# Altium PCB PCB1.PcbDoc
Units mm, origin at the board's own origin, x right, y up, seen from the top; angles counter-clockwise.
Board outline 78.4 x 48.7 mm, 2 copper layers (Top Layer, Bottom Layer); 87 components, 41 nets, 206 pads, 77 vias.
Unrouted connection lines stored in the file: 16.
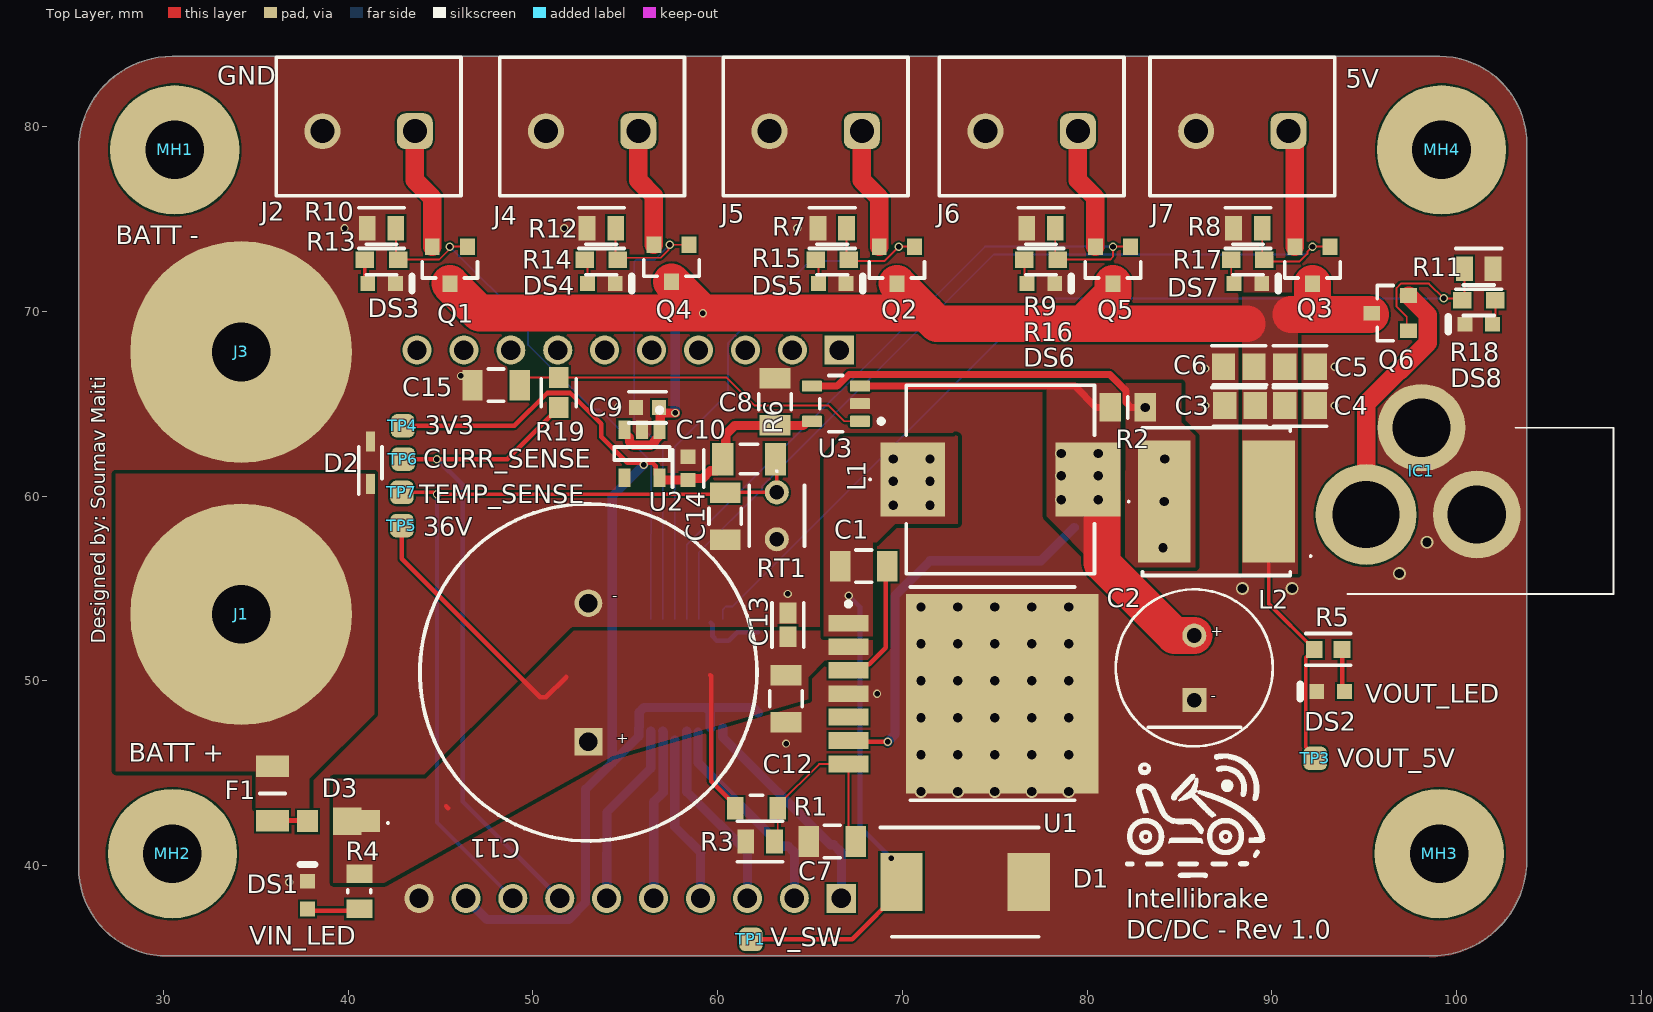
[diagram p0: Top Layer view]
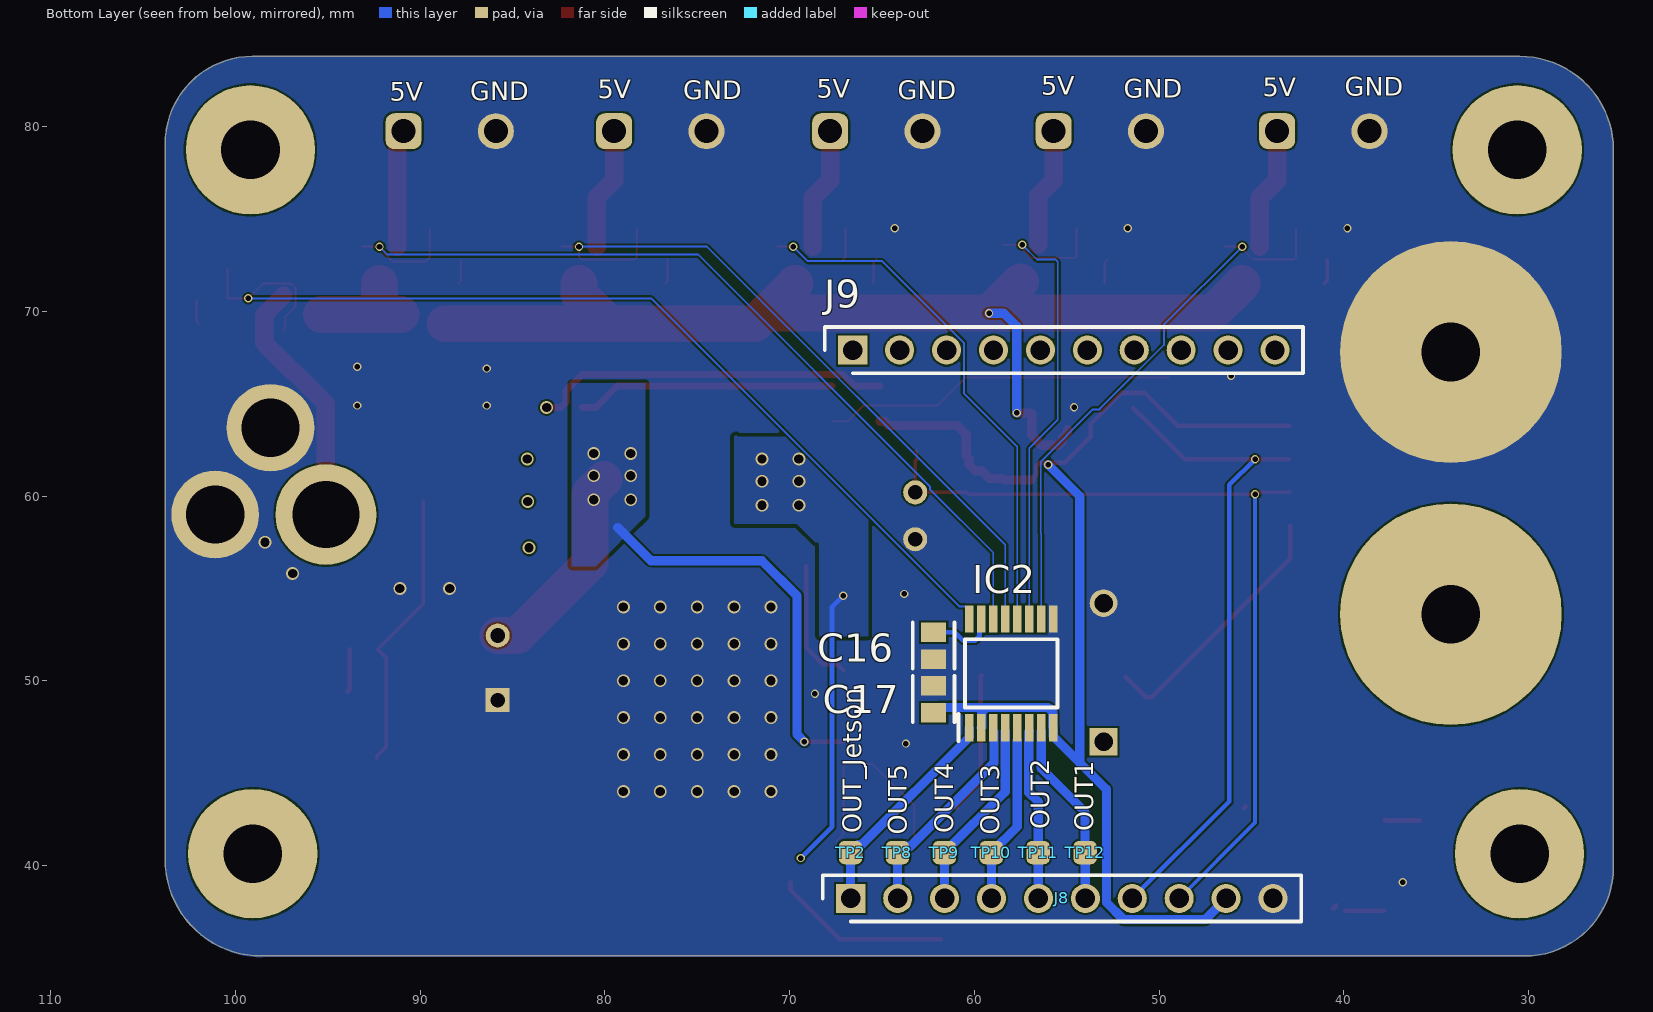
[diagram p1: Bottom Layer view, seen from below]
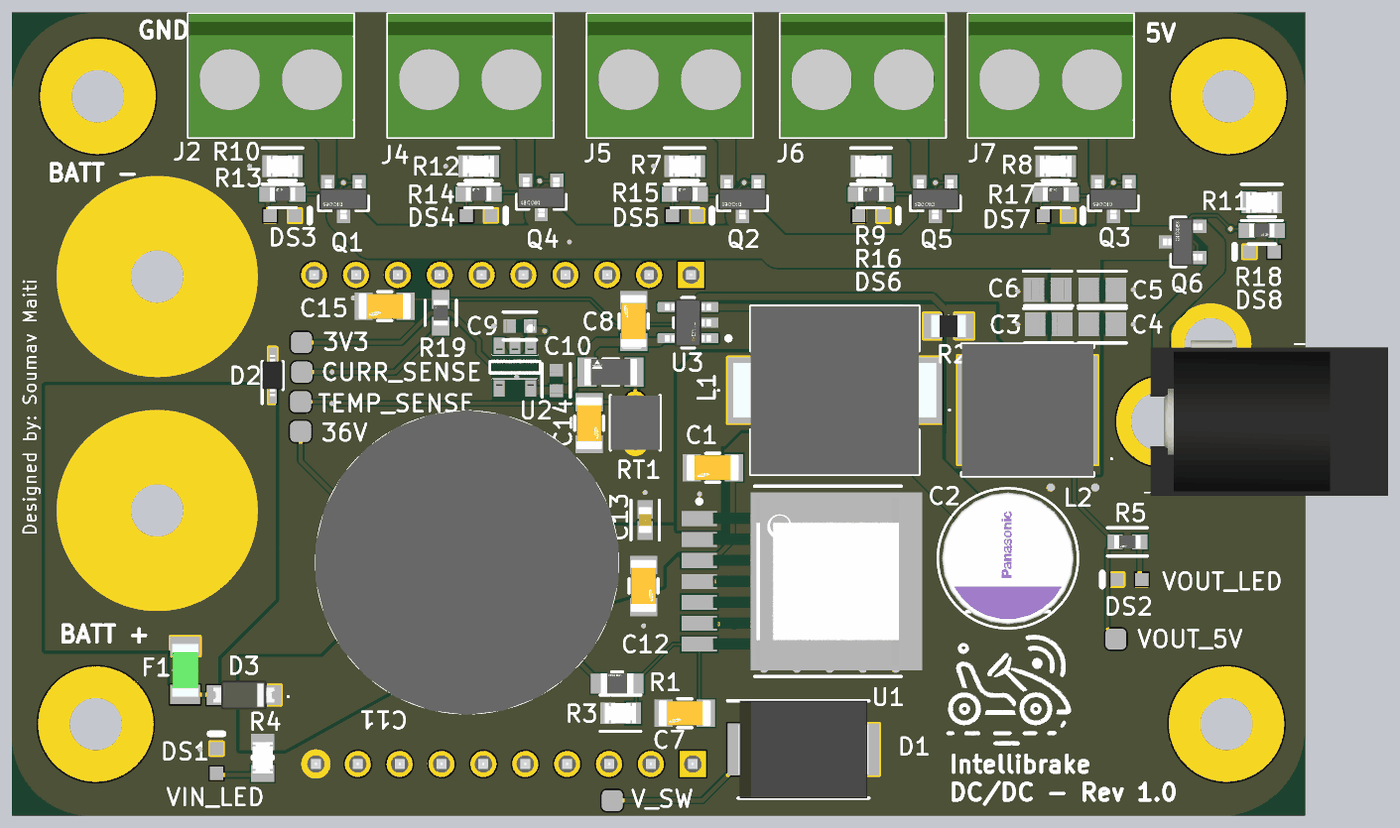
[diagram p2: 3D render of the assembled board from above, using the file's embedded part models]
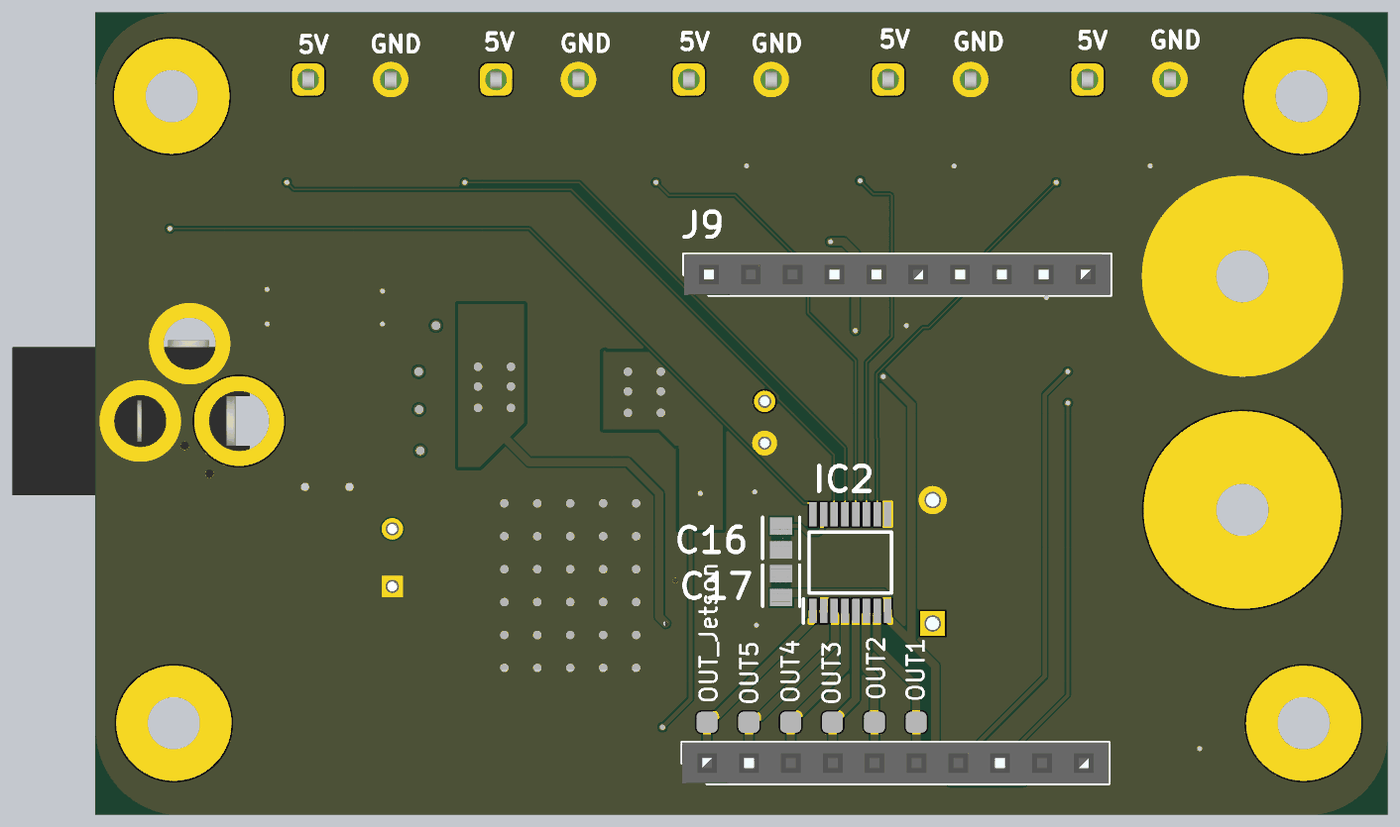
[diagram p3: 3D render of the assembled board from below, using the file's embedded part models]

## Layer stack, top to bottom
Top Solder: solder mask 0.0102, Solder Resist, Dk 3.5
Top Layer: signal copper 0.0356
Dielectric 1: dielectric 0.32, FR-4, Dk 4.8
Bottom Layer: signal copper 0.0356
Bottom Solder: solder mask 0.0102, Solder Resist, Dk 3.5

## Board outline
30.2,35.1 98.6,35.1 ccw(c98.6,40.3) 103.8,40.3 103.8,79.08 ccw(c99.08,79.08) 99.08,83.8 30.46,83.8 ccw(c30.46,78.74) 25.4,78.74 25.4,39.9 ccw(c30.2,39.9)

## Design rules (kind name [scope] priority, off if disabled: settings)
Clearance Clearance_8 [InNamedPolygon('GND_L01_P004')] p1: gap=0.46 ignorepadtopadclearanceinfootprint=FALSE
Clearance Clearance_7 [InNamedPolygon('GND_L02_P005')] p2: gap=0.46 ignorepadtopadclearanceinfootprint=FALSE
Clearance Clearance_6 [InNamedPolygon('GND_L02_P000')] p3: gap=0.46 ignorepadtopadclearanceinfootprint=FALSE
Clearance Clearance_5 [InNamedPolygon('GND_L02_P005')] p4: gap=0.46 ignorepadtopadclearanceinfootprint=FALSE
Clearance Clearance_4 [InNamedPolygon('VIN_L01_P003')] p5: gap=0.46 ignorepadtopadclearanceinfootprint=FALSE
Clearance Clearance_3 [InNamedPolygon('VIN_36V_L01_P004')] p6: gap=0.46 ignorepadtopadclearanceinfootprint=FALSE
Clearance Clearance_2 [InNamedPolygon('VIN_36V_L01_P004')] p7: gap=0.46 ignorepadtopadclearanceinfootprint=FALSE
Clearance Clearance_1 [InNamedPolygon('VIN_36V_L01_P004')] p8: gap=0.46 ignorepadtopadclearanceinfootprint=FALSE
Clearance 0.46 [InNamedPolygon('VIN_36V_L01_P004')] p9: gap=0.46 ignorepadtopadclearanceinfootprint=FALSE except(0: Arc-Hole Track-Hole SMDPad-Hole THPad-Hole Via-Hole Fill-Hole Poly-Hole Region-Hole Text-Hole; 0.254: Fill-Fill Fill-Poly Fill-Region Poly-Poly Poly-Region Region-Region)
Clearance [All] p10: gap=0.1 ignorepadtopadclearanceinfootprint=FALSE except(0.2: Fill-Fill Fill-Poly Fill-Region Poly-Poly Poly-Region Region-Region)
DiffPairsRouting [All] p1: maxlimit=0.254 minlimit=0.254 mostfreqgap=0.254 toplayer_minwidth=0.381 toplayer_maxwidth=0.381 toplayer_prefwidth=0.381 bottomlayer_minwidth=0.381 bottomlayer_maxwidth=0.381 bottomlayer_prefwidth=0.381 maxuncoupledlength=12.7
Height [All] p1: minheight=0 maxheight=100 prefheight=12.7
PlaneClearance [All] p1: clearance=0.5
PolygonConnect [All] p1: connectstyle=Direct reliefconductorwidth=0.254 reliefentries=4 polygonreliefangle="90 Angle" airgapwidth=0.254
RoutingVias [All] p1: holewidth=0.711 width=1.27 viastyle="Through Hole" minholewidth=0.711 minwidth=1.27 maxholewidth=0.711 maxwidth=1.27
SolderMaskExpansion [All] p1: expansion=0.102 istentingtop=FALSE
SupplyNets "Schematic Supply Nets" [InNet('VIN_5V')] p1: voltage=0.000
SupplyNets "Schematic Supply Nets_7" [InNet('CSA_P')] p2: voltage=0.000
SupplyNets "Schematic Supply Nets_6" [InNet('MCU_3V3')] p3: voltage=0.000
SupplyNets "Schematic Supply Nets_5" [InNet('VIN_36V')] p4: voltage=0.000
SupplyNets "Schematic Supply Nets_4" [InNet('V_BOOST')] p5: voltage=0.000
SupplyNets "Schematic Supply Nets_3" [InNet('VIN')] p6: voltage=0.000
SupplyNets "Schematic Supply Nets_2" [InNet('VOUT_5V')] p7: voltage=0.000
SupplyNets "Schematic Supply Nets_1" [InNet('GND')] p8: voltage=0.000
Width [All] p1: maxlimit=5 minlimit=0.05 preferedwidth=0.254
27 further rules are at their usual default settings.

## Classes and differential pairs
component class Connectors: C15 C16 C17 D2 D3 DS3 DS4 DS5 DS6 DS7 DS8 F1 IC1 IC2 J1 J2 J3 J4 J5 J6 J7 J8 J9 MH1 MH2 MH3 MH4 Q1 Q2 Q3 Q4 Q5 Q6 R7 R8 R9 R10 R11 R12 R13 R14 R15 R16 R17 R18 R19 TP2 TP5 TP6 TP7 TP8 TP9 TP10 TP11 TP12
component class LM2678: C1 C2 C3 C4 C5 C6 C7 C8 C9 C10 C11 C12 C13 C14 D1 DS1 DS2 L1 L2 R1 R2 R3 R4 R5 R6 RT1 TP1 TP3 TP4 U1 U2 U3
differential pair CSA: +CSA_P -CSA_N

## Components (designator, comment, footprint, x,y, rotation, side; value= is the part's Value field where it differs from the comment)
C1 "100nF 50V" FP-CL31-IPC_C 67.9,56.2 r180 top
C2 "220uF 16V" FP-OS-CON-TH-E7-d_0_6-MFG 85.8,50.7 r90 top
C3 "10uF 16V" FP-CL21-IPC_B 88.274,64.9 r180 top
C4 "10uF 16V" FP-CL21-IPC_B 91.526,64.9 r0 top
C5 "10uF 16V" FP-CL21-IPC_B 91.526,67 r0 top
C6 "10uF 16V" FP-CL21-IPC_B 88.2,67 r180 top
C7 "100nF 50V" FP-CL31-IPC_C 66.2,41.3 r180 top
C8 "100nF 50V" FP-CL31-IPC_C 63.1,65.1 r90 top
C9 "1uF" FP-CL10-IPC_C 56.2,64.8 r180 top
C10 "1uF" FP-CL10-IPC_C 58.4,61.5 r90 top
C11 "1200uF 63V" CAPPRD750W80D1825H3750 53,46.7 r90 top
C12 "100nF 50V" FP-CL31-IPC_C 63.7,49.024 r270 top
C13 "1uF 50V" FP-C1608-080-0_1-IPC_B 63.8,53.024 r270 top
C14 "100nF 50V" FP-CL31-IPC_C 60.4,58.9 r270 top
C15 "100nF 50V" FP-CL31-IPC_C 48,66 r180 top
C16 "0.1uF 25V" FP-CL21-IPC_C 62.2,51.9 r270 bottom
C17 "0.1uF 25V" FP-CL21-IPC_C 62.2,49 r90 bottom
D1 "SK56C" DIOM7959X262N 73.4,39.1 r0 top
D2 "ESD36VD3A-TP" SOD2512X115N 41.2,61.8 r90 top
D3 "Schottky Diode" PMEG4010EXEX 39.5,42.4 r180 top
DS1 "HSMY-C190" AVAG-HSMX-C190_V 37.8,38.4 r90 top
DS2 "HSMY-C190" AVAG-HSMX-C190_V 93.178,49.414 r180 top
DS3 "HSMY-C190" AVAG-HSMX-C190_V 41.8,71.5 r0 top
DS4 "HSMY-C190" AVAG-HSMX-C190_V 53.7,71.5 r0 top
DS5 "HSMY-C190" AVAG-HSMX-C190_V 66.2,71.5 r0 top
DS6 "HSMY-C190" AVAG-HSMX-C190_V 77.5,71.5 r0 top
DS7 "HSMY-C190" AVAG-HSMX-C190_V 88.7,71.5 r0 top
DS8 "HSMY-C190" AVAG-HSMX-C190_V 101.2,69.3 r180 top
F1 "0685F1000-01" FUSC3216X83N 35.9,43.9 r270 top
IC1 "PJ-002A" PJ002A 95.1,59 r180 top
IC2 "NXB0106PWJ" SOP65P640X110-16N 58,50.4 r90 bottom
J1 "J?" "POWER SCREW TERMINAL" 34.2,53.6 r180 top
J2 "691137710002" 691137710002 41.1,80 r180 top
J3 "J?" "POWER SCREW TERMINAL" 34.2,67.8 r180 top
J4 "691137710002" 691137710002 53.2,80 r180 top
J5 "691137710002" 691137710002 65.3,80 r180 top
J6 "691137710002" 691137710002 77,80 r180 top
J7 "691137710002" 691137710002 88.4,80 r180 top
J8 "61301011821" RHDR10W60P0X254_1X10_2590X250X850P 66.687,38.217 r180 bottom
J9 "61301011821" RHDR10W60P0X254_1X10_2590X250X850P 66.58,67.9 r180 bottom
L1 "22uH, 5A" AMRM00101040220MA1 75.3,60.9 r0 top
L2 "10uH" HPC8040NC4R7M 87,59.7 r90 top
MH1 "MH?" "MOUNTING HOLE" 30.48,78.74 r0 top
MH2 "MH?" "MOUNTING HOLE" 30.353,40.64 r0 top
MH3 "MH?" "MOUNTING HOLE" 98.933,40.64 r0 top
MH4 "MH?" "MOUNTING HOLE" 99.06,78.74 r0 top
Q1 "DMG2301L-7" FP-SOT23-MFG 45.5,72.5 r270 top
Q2 "DMG2301L-7" FP-SOT23-MFG 69.7,72.5 r270 top
Q3 "DMG2301L-7" FP-SOT23-MFG 92.2,72.5 r270 top
Q4 "DMG2301L-7" FP-SOT23-MFG 57.5,72.6 r270 top
Q5 "DMG2301L-7" FP-SOT23-MFG 81.4,72.5 r270 top
Q6 "DMG2301L-7" FP-SOT23-MFG 96.4,69.9 r180 top
R1 "110k" FP-RC2012-MFG 62.1,43.1 r180 top
R2 "20m 0.75W" RESC2114X85N 82.2,64.8 r0 top
R3 "10k" FP-MC01W0805-IPC_C 62.3,41.3 r0 top
R4 "34k" FP-CRCW0805-e3-IPC_B 40.6,38.6 r90 top
R5 "1.5k" FP-RC1608-IPC_B 93.051,51.7 r180 top
R6 "15k" FP-CRCW1206-e3-IPC_B 61.7,62 r180 top
R7 "10k" FP-MC01W0805-IPC_C 66.2,74.5 r180 top
R8 "10k" FP-MC01W0805-IPC_C 88.7,74.5 r180 top
R9 "10k" FP-MC01W0805-IPC_C 77.5,74.5 r180 top
R10 "10k" FP-MC01W0805-IPC_C 41.8,74.5 r180 top
R11 "10k" FP-MC01W0805-IPC_C 101.2,72.3 r0 top
R12 "10k" FP-MC01W0805-IPC_C 53.7,74.5 r180 top
R13 "1.18k" FP-CPF0603-MFG 41.8,72.8 r0 top value=1.18KΩ
R14 "1.18k" FP-CPF0603-MFG 53.7,72.8 r0 top value=1.18KΩ
R15 "1.18k" FP-CPF0603-MFG 66.2,72.8 r0 top value=1.18KΩ
R16 "1.18k" FP-CPF0603-MFG 77.5,72.8 r0 top value=1.18KΩ
R17 "1.18k" FP-CPF0603-MFG 88.7,72.8 r0 top value=1.18KΩ
R18 "1.18k" FP-CPF0603-MFG 101.2,70.6 r180 top value=1.18KΩ
R19 "1.5k" FP-CRCW0603-e3-IPC_A 51.4,65.6 r90 top
RT1 "47k NTC" NTCLE100E3473GB0 63.2,60.2 r270 top
TP1 "TP" TESTPOINT 61.8,36 r90 top
TP2 "TP" Testpoint 66.7,40.7 r90 bottom
TP3 "TP" TESTPOINT 92.35,45.8 r90 top
TP4 "TP" TESTPOINT 42.95,63.8 r90 top
TP5 "TP" TESTPOINT 42.9,58.4 r90 top
TP6 "TP" TESTPOINT 42.975,62 r90 top
TP7 "TP" TESTPOINT 42.9,60.2 r90 top
TP8 "TP" Testpoint 64.16,40.7 r90 bottom
TP9 "TP" Testpoint 61.62,40.7 r90 bottom
TP10 "TP" Testpoint 59.08,40.7 r90 bottom
TP11 "TP" Testpoint 56.54,40.7 r90 bottom
TP12 "TP" Testpoint 54,40.7 r90 bottom
U1 "LM2678SX-5.0/NOPB" LM2678SX-5.0/NOPB 75.716,49.681 r270 top
U2 "MIC5504-3.3YM5-TR" FP-SOT23-5LD-PL-1-MFG 55.9,62.3 r270 top
U3 "INA180A2IDBVR" FP-DBV0005A-MFG 66.4,65 r180 top

## Footprints (in the part's own frame and the unit in brackets; to place one, negate y for a bottom-side part, rotate by r counter-clockwise, add the part's x,y. Pads: shape width x height; smd on the part's side, far side on the other; paste and mask are expansions set on the pad)
691137710002 [mm] "Horizontal Cable Entry with Pressure Clamp, pitch 5mm, 02p"
  rrect50% 1.95x1.95 hole 1.3: 1(-2.5,0.25)
  round 1.95 hole 1.3: 2(2.5,0.25)
  silkscreen extent -5,-3.75 5,3.75, body extent -5,-3.75 5,3.75, height 11.6
AMRM00101040220MA1 [mm]
  rect 3.5x4 smd: 1(-4.75,0) 2(4.75,0)
  silkscreen extent -7.1,-5.1 5.1,5.1, body extent -6.15,-5.1 6.15,5.1, height 4.1
AVAG-HSMX-C190_V [mm] "SMD, 2-Leads, Body 1.6x0.8mm, Height 0.9mm"
  rect 0.8x0.8 smd: 1(-0.75,0) 2(0.75,0)
  silkscreen extent 1.65,-0.4 1.65,0.4, body extent -0.8,-0.4 0.8,0.4, height 0.9
CAPPRD750W80D1825H3750 [mm]
  rect 1.5x1.5 hole 1: 1(0,0)
  round 1.5 hole 1: 2(7.5,0)
  silkscreen extent -5.37,-9.13 12.87,9.12, body extent -5.5,-9.23 13,9.23, height 37.5
DIOM7959X262N [mm]
  rect 2.3x3.15 smd: 1(-3.45,0) 2(3.45,0)
  silkscreen extent -4.6,-2.95 3.97,2.95, body extent -3.97,-2.95 3.97,2.95, height 2.62
FP-C1608-080-0_1-IPC_B [mm]
  rect 1.131x0.912 smd paste+0 mask+0: 1(-0.641,0) 2(0.641,0)
  silkscreen extent -1.21,-0.86 1.21,0.86, body extent -1.46,-0.71 1.46,0.71, height 0.25
FP-CL10-IPC_C [mm]
  rect 0.758x0.812 smd paste+0 mask+0: 1(-0.627,0) 2(0.627,0)
  silkscreen extent -1.01,-0.85 1.01,0.85, body extent -0.8,-0.4 0.8,0.4, height 0.9
FP-CL21-IPC_B [mm]
  rect 1.255x1.456 smd paste+0 mask+0: 1(-0.826,0) 2(0.826,0)
  silkscreen extent -1.45,-1.13 1.45,1.13, body extent -1.7,-0.98 1.7,0.98, height 0.25
FP-CL21-IPC_C [mm]
  rect 1.055x1.356 smd paste+0 mask+0: 1(-0.726,0) 2(0.726,0)
  silkscreen extent -1.25,-1.12 1.25,1.12, body extent -1,-0.63 1,0.63, height 1.45
FP-CL31-IPC_C [mm]
  rect 1.105x1.658 smd paste+0 mask+0: 1(-1.276,0) 2(1.276,0)
  silkscreen extent -0.42,-0.87 0.42,0.87, body extent -1.93,-0.97 1.93,0.97, height 0.25
FP-CPF0603-MFG [mm]
  rect 1x0.9 smd paste+0 mask+0: 1(-0.9,0) 2(0.9,0)
  silkscreen extent -0.82,-0.82 0.82,0.82, body extent -1.5,-0.55 1.5,0.55, height 0.25
FP-CRCW0603-e3-IPC_A [mm]
  rect 1.135x1.062 smd paste+0 mask+0: 1(-0.815,0) 2(0.815,0)
  silkscreen extent -0.75,-0.95 0.75,0.95, body extent -1.88,-1.03 1.88,1.03, height 0.25
FP-CRCW0805-e3-IPC_B [mm]
  rect 1.007x1.408 smd paste+0 mask+0: 1(-0.951,0) 2(0.951,0)
  silkscreen extent -0.07,-0.63 0.07,0.63, body extent -1.7,-0.95 1.7,0.95, height 0.25
FP-CRCW1206-e3-IPC_B [mm]
  rect 1.156x1.758 smd paste+0 mask+0: 1(-1.426,0) 2(1.426,0)
  silkscreen extent -0.47,-0.8 0.47,0.8, body extent -2.25,-1.13 2.25,1.13, height 0.25
FP-DBV0005A-MFG [mm]
  rrect17% 1.1x0.6 smd paste+0 mask+0: 1(-1.3,0.95) 2(-1.3,0) 3(-1.3,-0.95) 4(1.3,-0.95) 5(1.3,0.95)
  silkscreen extent -2.58,-1.53 0.87,1.53, body extent -1.95,-1.78 1.95,1.78, height 0.25
FP-MC01W0805-IPC_C [mm]
  rect 0.906x1.316 smd paste+0 mask+0: 1(-0.776,0) 2(0.776,0)
  silkscreen extent -1.23,-1.1 1.23,1.1, body extent -1.33,-0.8 1.33,0.8, height 0.25
FP-OS-CON-TH-E7-d_0_6-MFG [mm]
  rect 1.3x1.3 hole 0.8 paste-2539.97 mask+0: 1(-1.75,0)
  round 1.3 hole 0.8 paste-2539.97 mask+0: 2(1.75,0)
  silkscreen extent -4.25,-4.25 4.25,4.25, body extent -4.35,-4.35 4.35,4.35, height 0.25
FP-RC1608-IPC_B [mm]
  rect 0.91x0.912 smd paste+0 mask+0: 1(-0.751,0) 2(0.751,0)
  silkscreen extent -1.21,-0.86 1.21,0.86, body extent -1.46,-0.71 1.46,0.71, height 0.25
FP-RC2012-MFG [mm]
  rect 0.9x1.2 smd paste+0 mask+0: 1(-1.15,0) 2(1.15,0)
  silkscreen extent -0.33,-0.7 0.33,0.7, body extent -1.7,-0.8 1.7,0.8, height 0.25
FP-SOT23-5LD-PL-1-MFG [mm]
  rect 1x0.66 smd paste+0 mask+0: 1(-1.3,0.95) 2(-1.3,0) 3(-1.3,-0.95) 4(1.3,-0.95) 5(1.3,0.95)
  silkscreen extent -2.47,-1.5 0.35,1.5, body extent -1.4,-1.45 1.4,1.45, height 1.45
FP-SOT23-MFG [mm]
  rect 0.9x0.8 smd paste+0 mask+0: 1(-1,0.95) 2(-1,-0.95) 3(1,0)
  silkscreen extent -0.18,-1.5 0.7,1.5, body extent -1.55,-1.6 1.55,1.6, height 0.25
FUSC3216X83N [mm]
  rect 1.17x1.8 smd: 1(-1.47,0) 2(1.47,0)
  silkscreen extent 0,-0.69 0,0.69, body extent -1.6,-0.79 1.6,0.79, height 0.83
HPC8040NC4R7M [mm]
  rect 6.6x2.85 smd: 1(0,2.825) 2(0,-2.825)
  silkscreen extent -4,-4 4,4.8, body extent -4,-4 4,4, height 4.3
LM2678SX-5.0/NOPB [mm]
  rect 0.91x2.16 smd paste+0 mask+0: 1(-3.429,-8.635) 2(-2.159,-8.635) 3(-0.889,-8.635) 4(0.381,-8.635) 5(1.651,-8.635) 6(2.921,-8.635) 7(4.191,-8.635)
  rect 10.8x10.41 smd paste+0 mask+0: 8(0.381,-0.316)
  silkscreen extent -5.39,-8.76 6.16,3.62, body extent -5.12,-9.82 5.88,4.99, height 0.25
"MOUNTING HOLE" [mm]
  round 7 hole 3.175: 4(0.127,0)
NTCLE100E3473GB0 [mm]
  round 1.3 hole 0.8: 1(0,0) 2(2.54,0)
  silkscreen extent -1.2,-1.5 2.92,1.5, body extent -0.38,-1.5 2.92,1.5, height 8.1
PJ002A [mm]
  round 5.46 hole 3.64: 1(0,0)
  round 4.74 hole 3.16: 2(-6,0) 3(-3,-4.7)
  silkscreen extent -13.4,-4.7 3.05,4.3, body extent -13.75,-4.9 0.65,4.5, height 11
PMEG4010EXEX [mm]
  rect 1x1.2 smd: 1(-1.713,0)
  rect 1.15x1.2 smd: 2(1.713,0)
  rect 1.55x1.5 smd: 3(-0.437,0)
  silkscreen extent -2.7,0.05 -2.6,0.15, body extent -1.81,-0.89 1.89,0.89, height 0.9
"POWER SCREW TERMINAL" [mm]
  round 12 hole 3.175: 1(0,0)
RESC2114X85N [mm]
  rect 1.15x1.55 smd: 1(-0.95,0) 2(0.95,0)
  silkscreen extent 0,-0.58 0,0.58, body extent -1.05,-0.67 1.05,0.67, height 0.85
RHDR10W60P0X254_1X10_2590X250X850P [mm]
  rect 1.575x1.575 hole 1.05: 1(0,0)
  round 1.575 hole 1.05: 2(2.54,0) 3(5.08,0) 4(7.62,0) 5(10.16,0) 6(12.7,0) 7(15.24,0) 8(17.78,0) 9(20.32,0) 10(22.86,0)
  silkscreen extent -1.52,-1.25 24.38,1.25, body extent -1.52,-1.25 24.38,1.25, height 8.5
SOD2512X115N [mm]
  rect 1.1x0.5 smd: 1(-1.15,0) 2(1.15,0)
  silkscreen extent -1.7,-0.63 0.85,0.63, body extent -1.25,-0.63 1.25,0.63, height 1.04
SOP65P640X110-16N [mm]
  rect 1.475x0.45 smd: 1(-2.938,2.275) 2(-2.938,1.625) 3(-2.938,0.975) 4(-2.938,0.325) 5(-2.938,-0.325) 6(-2.938,-0.975) 7(-2.938,-1.625) 8(-2.938,-2.275) 9(2.938,-2.275) 10(2.938,-1.625) 11(2.938,-0.975) 12(2.938,-0.325) 13(2.938,0.325) 14(2.938,0.975) 15(2.938,1.625) 16(2.938,2.275)
  silkscreen extent -3.67,-2.5 1.85,2.85
TESTPOINT [mm]
  rrect50% 1.27x1.27 smd: 0(0,0)
Testpoint [mm]
  rrect50% 1.27x1.27 smd: 0(0,0)
